# KiCad board Eclipse65.kicad_pcb (continued)
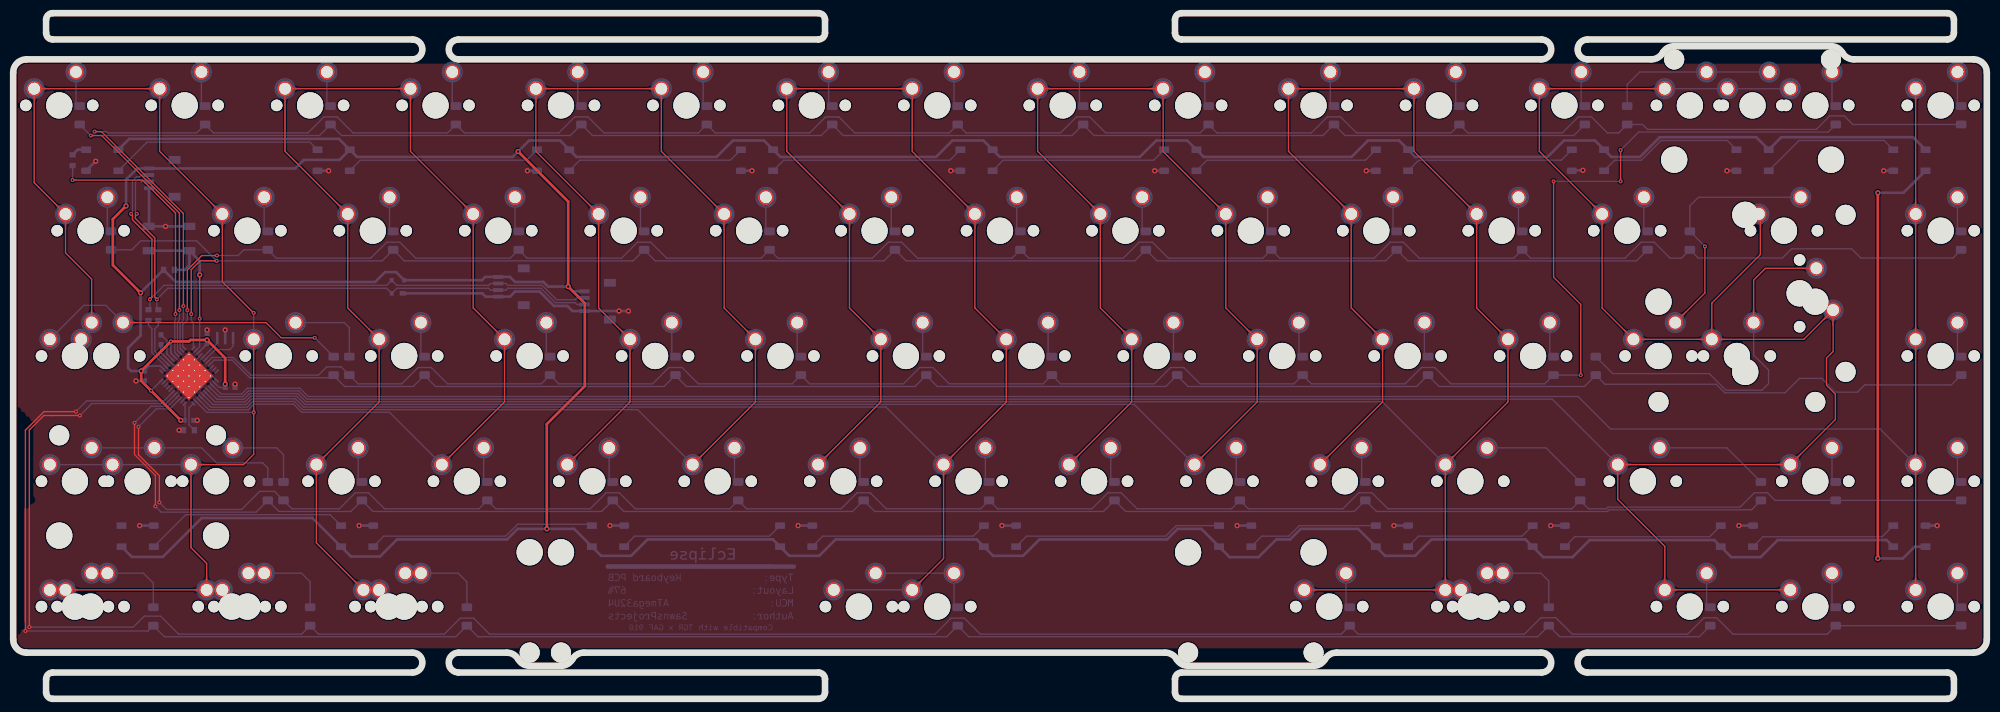
[diagram p0: board, top side]
## Copper pours and planes (outline as drawn; the poured copper is in the pictures) (continued)
C6 on Top: 267.5,16.46 267.6,16.46 267.7,16.46 267.79,16.45 267.87,16.44 267.95,16.42 268.02,16.4 268.09,16.38 268.15,16.36 268.21,16.33 268.26,16.3 268.32,16.27 268.37,16.24 268.42,16.2 268.47,16.17 268.89,15.79 268.95,15.74 269.01,15.7 269.07,15.66 269.14,15.61 269.21,15.57 269.29,15.53 269.37,15.48 270.49,16.56 269.37,17.64 269.29,17.6 269.21,17.56 269.14,17.52 269.07,17.47 269.01,17.43 268.95,17.39 268.89,17.34 268.47,16.96 268.42,16.93 268.37,16.89 268.32,16.86 268.26,16.83 268.21,16.8 268.15,16.77 268.09,16.75 268.02,16.73 267.95,16.71 267.87,16.69 267.79,16.68 267.7,16.67 267.6,16.67 267.5,16.66
C6 on Top: 265.46,71.33 265.46,71.44 265.47,71.54 265.47,71.64 265.49,71.73 265.5,71.81 265.52,71.89 265.54,71.96 265.56,72.03 265.59,72.09 265.62,72.16 265.65,72.21 265.68,72.27 265.71,72.32 266,72.75 266.03,72.81 266.07,72.87 266.1,72.93 266.14,73 266.17,73.07 266.2,73.15 266.23,73.23 266.26,73.32 266.29,73.41 265.01,74.3 264.17,72.99 264.22,72.93 264.27,72.86 264.33,72.8 264.38,72.75 264.43,72.7 264.48,72.65 264.91,72.27 264.95,72.23 264.99,72.19 265.03,72.14 265.06,72.1 265.09,72.05 265.12,72 265.15,71.94 265.17,71.88 265.2,71.82 265.21,71.75 265.23,71.68 265.24,71.6 265.25,71.52 265.26,71.43 265.26,71.33
C6 on Top: 257.88,57.05 257.88,56.95 257.88,56.86 257.87,56.77 257.86,56.69 257.84,56.61 257.82,56.54 257.8,56.47 257.78,56.41 257.75,56.35 257.72,56.29 257.69,56.24 257.66,56.19 257.62,56.14 257.59,56.09 257.21,55.66 257.16,55.61 257.12,55.55 257.07,55.48 257.03,55.42 256.99,55.35 256.95,55.27 256.9,55.19 257.98,54.06 259.06,55.19 259.02,55.27 258.98,55.35 258.94,55.42 258.89,55.48 258.85,55.55 258.8,55.61 258.76,55.66 258.38,56.09 258.35,56.14 258.31,56.19 258.28,56.24 258.25,56.29 258.22,56.35 258.19,56.41 258.17,56.47 258.15,56.54 258.13,56.61 258.11,56.69 258.1,56.77 258.09,56.86 258.09,56.95 258.08,57.05
C6 on Top: 271.51,37.38 271.44,37.3 271.36,37.24 271.3,37.19 271.23,37.14 271.16,37.09 271.1,37.05 271.04,37.02 270.97,36.99 270.91,36.97 270.85,36.95 270.79,36.93 270.73,36.92 270.67,36.91 270.62,36.9 270.05,36.87 269.97,36.86 269.9,36.85 269.83,36.84 269.75,36.82 269.67,36.8 269.58,36.78 269.5,36.75 269.47,35.19 271.02,35.22 271.05,35.31 271.08,35.39 271.1,35.47 271.11,35.55 271.13,35.63 271.14,35.7 271.14,35.77 271.18,36.34 271.19,36.4 271.2,36.46 271.21,36.52 271.23,36.58 271.24,36.64 271.27,36.7 271.3,36.76 271.33,36.82 271.37,36.89 271.41,36.95 271.46,37.02 271.52,37.09 271.58,37.16 271.65,37.23
C6 on Top: 276.5,56.72 276.5,56.82 276.51,56.92 276.52,57.01 276.53,57.09 276.54,57.17 276.56,57.24 276.58,57.31 276.61,57.37 276.63,57.43 276.66,57.48 276.69,57.54 276.73,57.59 276.76,57.64 276.8,57.69 277.18,58.11 277.22,58.17 277.26,58.23 277.31,58.29 277.35,58.36 277.39,58.43 277.44,58.51 277.48,58.59 276.4,59.71 275.32,58.59 275.36,58.51 275.4,58.43 275.45,58.36 275.49,58.29 275.53,58.23 275.58,58.17 275.62,58.11 276,57.69 276.04,57.64 276.07,57.59 276.1,57.54 276.14,57.48 276.16,57.43 276.19,57.37 276.21,57.31 276.24,57.24 276.25,57.17 276.27,57.09 276.28,57.01 276.29,56.92 276.3,56.82 276.3,56.72
C6 on Top: 231.89,90.37 231.89,90.48 231.9,90.57 231.91,90.66 231.92,90.74 231.93,90.82 231.95,90.89 231.97,90.96 232,91.02 232.02,91.08 232.05,91.14 232.08,91.19 232.12,91.24 232.15,91.29 232.19,91.34 232.57,91.77 232.61,91.82 232.66,91.88 232.7,91.95 232.74,92.01 232.79,92.08 232.83,92.16 232.87,92.24 231.79,93.36 230.71,92.24 230.75,92.16 230.79,92.08 230.84,92.01 230.88,91.95 230.92,91.88 230.97,91.82 231.01,91.77 231.39,91.34 231.43,91.29 231.46,91.24 231.5,91.19 231.53,91.14 231.56,91.08 231.58,91.02 231.61,90.96 231.63,90.89 231.65,90.82 231.66,90.74 231.67,90.66 231.68,90.57 231.69,90.48 231.69,90.37
C6 on Top: 239.55,75.33 239.63,75.26 239.69,75.19 239.74,75.12 239.79,75.05 239.84,74.99 239.88,74.92 239.91,74.86 239.94,74.8 239.96,74.74 239.98,74.68 240,74.62 240.01,74.56 240.02,74.5 240.03,74.44 240.06,73.87 240.07,73.8 240.08,73.73 240.09,73.65 240.11,73.57 240.13,73.49 240.15,73.41 240.18,73.32 241.74,73.29 241.71,74.85 241.62,74.88 241.54,74.9 241.46,74.92 241.38,74.94 241.3,74.95 241.23,74.96 241.16,74.97 240.59,75 240.53,75.01 240.47,75.02 240.41,75.03 240.35,75.05 240.29,75.07 240.23,75.09 240.17,75.12 240.11,75.15 240.04,75.19 239.98,75.24 239.91,75.29 239.84,75.34 239.77,75.4 239.7,75.48
C6 on Top: 241.42,71.32 241.42,71.43 241.42,71.52 241.43,71.61 241.44,71.69 241.46,71.77 241.48,71.84 241.5,71.91 241.52,71.97 241.55,72.03 241.58,72.09 241.61,72.14 241.64,72.19 241.68,72.24 241.71,72.29 242.09,72.72 242.14,72.77 242.18,72.83 242.22,72.9 242.27,72.96 242.31,73.03 242.35,73.11 242.4,73.19 241.32,74.31 240.24,73.19 240.28,73.11 240.32,73.03 240.36,72.96 240.41,72.9 240.45,72.83 240.49,72.77 240.54,72.72 240.92,72.29 240.95,72.24 240.99,72.19 241.02,72.14 241.05,72.09 241.08,72.03 241.11,71.97 241.13,71.91 241.15,71.84 241.17,71.77 241.19,71.69 241.2,71.61 241.21,71.52 241.21,71.43 241.22,71.32
C6 on Top: 244.32,56.28 244.39,56.21 244.45,56.14 244.51,56.07 244.56,56 244.6,55.94 244.64,55.87 244.67,55.81 244.7,55.75 244.72,55.69 244.74,55.63 244.76,55.57 244.77,55.51 244.78,55.45 244.79,55.39 244.82,54.82 244.83,54.75 244.84,54.68 244.86,54.6 244.87,54.52 244.89,54.44 244.92,54.36 244.94,54.27 246.5,54.24 246.47,55.8 246.38,55.83 246.3,55.85 246.22,55.87 246.14,55.89 246.07,55.9 245.99,55.91 245.92,55.92 245.35,55.95 245.29,55.96 245.23,55.97 245.17,55.98 245.11,56 245.05,56.02 244.99,56.04 244.93,56.07 244.87,56.1 244.8,56.14 244.74,56.19 244.67,56.24 244.6,56.29 244.53,56.35 244.46,56.43
C6 on Top: 260.37,54.76 260.27,54.77 260.18,54.77 260.09,54.78 260.01,54.79 259.93,54.81 259.86,54.83 259.79,54.85 259.72,54.87 259.67,54.9 259.61,54.93 259.56,54.96 259.5,54.99 259.46,55.03 259.41,55.06 258.98,55.44 258.92,55.49 258.87,55.53 258.8,55.57 258.74,55.62 258.66,55.66 258.59,55.7 258.51,55.74 257.38,54.66 258.51,53.58 258.59,53.63 258.66,53.67 258.74,53.71 258.8,53.76 258.87,53.8 258.92,53.84 258.98,53.89 259.41,54.27 259.46,54.3 259.5,54.34 259.56,54.37 259.61,54.4 259.67,54.43 259.72,54.46 259.79,54.48 259.86,54.5 259.93,54.52 260.01,54.54 260.09,54.55 260.18,54.56 260.27,54.56 260.37,54.56
C6 on Top: 274.78,57.35 274.85,57.42 274.92,57.48 274.99,57.54 275.06,57.59 275.13,57.63 275.19,57.67 275.25,57.7 275.31,57.73 275.38,57.76 275.44,57.77 275.5,57.79 275.55,57.8 275.61,57.81 275.67,57.82 276.24,57.86 276.31,57.86 276.39,57.87 276.46,57.89 276.54,57.9 276.62,57.92 276.71,57.95 276.79,57.98 276.82,59.53 275.27,59.5 275.24,59.42 275.21,59.33 275.19,59.25 275.18,59.17 275.16,59.1 275.15,59.03 275.15,58.95 275.11,58.38 275.1,58.33 275.09,58.27 275.08,58.21 275.06,58.15 275.04,58.09 275.02,58.03 274.99,57.96 274.96,57.9 274.92,57.84 274.88,57.77 274.83,57.7 274.77,57.64 274.71,57.56 274.64,57.49
C6 on Top: 255.59,54.56 255.7,54.56 255.79,54.56 255.88,54.55 255.96,54.54 256.04,54.52 256.11,54.5 256.18,54.48 256.24,54.46 256.3,54.43 256.36,54.4 256.41,54.37 256.46,54.34 256.51,54.3 256.56,54.27 256.99,53.89 257.04,53.84 257.1,53.8 257.16,53.76 257.23,53.71 257.3,53.67 257.38,53.63 257.46,53.58 258.58,54.66 257.46,55.74 257.38,55.7 257.3,55.66 257.23,55.62 257.16,55.57 257.1,55.53 257.04,55.49 256.99,55.44 256.56,55.06 256.51,55.03 256.46,54.99 256.41,54.96 256.36,54.93 256.3,54.9 256.24,54.87 256.18,54.85 256.11,54.83 256.04,54.81 255.96,54.79 255.88,54.78 255.79,54.77 255.7,54.77 255.59,54.76
C6 on Top: 248.47,54.76 248.37,54.77 248.27,54.77 248.18,54.78 248.1,54.79 248.02,54.81 247.95,54.83 247.88,54.85 247.82,54.87 247.76,54.9 247.7,54.93 247.65,54.96 247.6,54.99 247.55,55.03 247.5,55.06 247.07,55.44 247.02,55.49 246.96,55.53 246.9,55.57 246.83,55.62 246.76,55.66 246.68,55.7 246.6,55.74 245.48,54.66 246.6,53.58 246.68,53.63 246.76,53.67 246.83,53.71 246.9,53.76 246.96,53.8 247.02,53.84 247.07,53.89 247.5,54.27 247.55,54.3 247.6,54.34 247.65,54.37 247.7,54.4 247.76,54.43 247.82,54.46 247.88,54.48 247.95,54.5 248.02,54.52 248.1,54.54 248.18,54.55 248.27,54.56 248.37,54.56 248.47,54.56
C6 on Top: 234.18,92.86 234.08,92.87 233.98,92.87 233.89,92.88 233.81,92.89 233.73,92.91 233.66,92.93 233.59,92.95 233.53,92.97 233.47,93 233.42,93.03 233.36,93.06 233.31,93.09 233.26,93.13 233.21,93.16 232.79,93.54 232.73,93.59 232.67,93.63 232.61,93.67 232.54,93.72 232.47,93.76 232.39,93.8 232.31,93.84 231.19,92.76 232.31,91.68 232.39,91.73 232.47,91.77 232.54,91.81 232.61,91.86 232.67,91.9 232.73,91.94 232.79,91.99 233.21,92.37 233.26,92.4 233.31,92.44 233.36,92.47 233.42,92.5 233.47,92.53 233.53,92.56 233.59,92.58 233.66,92.6 233.73,92.62 233.81,92.64 233.89,92.65 233.98,92.66 234.08,92.66 234.18,92.66
C6 on Top: 248.45,92.66 248.55,92.66 248.65,92.66 248.74,92.65 248.82,92.64 248.9,92.62 248.97,92.6 249.04,92.58 249.1,92.56 249.16,92.53 249.21,92.5 249.27,92.47 249.32,92.44 249.37,92.4 249.42,92.37 249.84,91.99 249.9,91.94 249.96,91.9 250.02,91.86 250.09,91.81 250.16,91.77 250.24,91.73 250.32,91.68 251.44,92.76 250.32,93.84 250.24,93.8 250.16,93.76 250.09,93.72 250.02,93.67 249.96,93.63 249.9,93.59 249.84,93.54 249.42,93.16 249.37,93.13 249.32,93.09 249.27,93.06 249.21,93.03 249.16,93 249.1,92.97 249.04,92.95 248.97,92.93 248.9,92.91 248.82,92.89 248.74,92.88 248.65,92.87 248.55,92.87 248.45,92.86
C6 on Bottom: 267.5,92.66 267.6,92.66 267.7,92.66 267.79,92.65 267.87,92.64 267.95,92.62 268.02,92.6 268.09,92.58 268.15,92.56 268.21,92.53 268.26,92.5 268.32,92.47 268.37,92.44 268.42,92.4 268.47,92.37 268.89,91.99 268.95,91.94 269.01,91.9 269.07,91.86 269.14,91.81 269.21,91.77 269.29,91.73 269.37,91.68 270.49,92.76 269.37,93.84 269.29,93.8 269.21,93.76 269.14,93.72 269.07,93.67 269.01,93.63 268.95,93.59 268.89,93.54 268.47,93.16 268.42,93.13 268.37,93.09 268.32,93.06 268.26,93.03 268.21,93 268.15,92.97 268.09,92.95 268.02,92.93 267.95,92.91 267.87,92.89 267.79,92.88 267.7,92.87 267.6,92.87 267.5,92.86
C6 on Bottom: 266.7,92.66 266.84,92.66 266.96,92.65 267.08,92.64 267.19,92.63 267.3,92.6 267.39,92.58 267.48,92.55 267.57,92.52 267.65,92.48 267.72,92.44 267.79,92.4 267.86,92.35 267.93,92.3 267.99,92.25 268.05,92.2 268.11,92.15 268.42,91.86 268.49,91.8 268.56,91.74 268.63,91.68 268.71,91.62 268.8,91.56 268.88,91.5 268.98,91.44 269.08,91.38 269.19,91.32 270.69,92.76 269.19,94.2 269.08,94.15 268.98,94.09 268.88,94.03 268.8,93.97 268.71,93.91 268.63,93.85 268.56,93.79 268.49,93.73 268.42,93.67 268.11,93.38 268.05,93.33 267.99,93.28 267.93,93.23 267.86,93.18 267.79,93.13 267.72,93.09 267.65,93.05 267.57,93.01 267.48,92.98 267.39,92.95 267.3,92.93 267.19,92.9 267.08,92.89 266.96,92.88 266.84,92.87 266.7,92.86
C6 on Bottom: 262.76,92.86 262.65,92.87 262.56,92.87 262.47,92.88 262.39,92.89 262.31,92.91 262.24,92.93 262.17,92.95 262.11,92.97 262.05,93 261.99,93.03 261.94,93.06 261.89,93.09 261.84,93.13 261.79,93.16 261.36,93.54 261.31,93.59 261.25,93.63 261.18,93.67 261.12,93.72 261.05,93.76 260.97,93.8 260.89,93.84 259.77,92.76 260.89,91.68 260.97,91.73 261.05,91.77 261.12,91.81 261.18,91.86 261.25,91.9 261.31,91.94 261.36,91.99 261.79,92.37 261.84,92.4 261.89,92.44 261.94,92.47 261.99,92.5 262.05,92.53 262.11,92.56 262.17,92.58 262.24,92.6 262.31,92.62 262.39,92.64 262.47,92.65 262.56,92.66 262.65,92.66 262.76,92.66
C6 on Bottom: 263.56,92.86 263.42,92.87 263.29,92.88 263.17,92.89 263.06,92.9 262.96,92.93 262.86,92.95 262.77,92.98 262.69,93.01 262.61,93.05 262.53,93.09 262.46,93.13 262.39,93.18 262.33,93.23 262.27,93.28 262.2,93.33 262.14,93.38 261.84,93.67 261.77,93.73 261.7,93.79 261.62,93.85 261.54,93.91 261.46,93.97 261.37,94.03 261.27,94.09 261.17,94.15 261.06,94.2 259.57,92.76 261.06,91.32 261.17,91.38 261.27,91.44 261.37,91.5 261.46,91.56 261.54,91.62 261.62,91.68 261.7,91.74 261.77,91.8 261.84,91.86 262.14,92.15 262.2,92.2 262.27,92.25 262.33,92.3 262.39,92.35 262.46,92.4 262.53,92.44 262.61,92.48 262.69,92.52 262.77,92.55 262.86,92.58 262.96,92.6 263.06,92.63 263.17,92.64 263.29,92.65 263.42,92.66 263.56,92.66
C6 on Bottom: 253.23,92.86 253.13,92.87 253.03,92.87 252.94,92.88 252.86,92.89 252.78,92.91 252.71,92.93 252.64,92.95 252.58,92.97 252.52,93 252.47,93.03 252.41,93.06 252.36,93.09 252.31,93.13 252.26,93.16 251.84,93.54 251.78,93.59 251.72,93.63 251.66,93.67 251.59,93.72 251.52,93.76 251.44,93.8 251.36,93.84 250.24,92.76 251.36,91.68 251.44,91.73 251.52,91.77 251.59,91.81 251.66,91.86 251.72,91.9 251.78,91.94 251.84,91.99 252.26,92.37 252.31,92.4 252.36,92.44 252.41,92.47 252.47,92.5 252.52,92.53 252.58,92.56 252.64,92.58 252.71,92.6 252.78,92.62 252.86,92.64 252.94,92.65 253.03,92.66 253.13,92.66 253.23,92.66
C6 on Bottom: 254.03,92.86 253.89,92.87 253.77,92.88 253.65,92.89 253.54,92.9 253.43,92.93 253.34,92.95 253.25,92.98 253.16,93.01 253.08,93.05 253.01,93.09 252.94,93.13 252.87,93.18 252.8,93.23 252.74,93.28 252.68,93.33 252.62,93.38 252.31,93.67 252.24,93.73 252.17,93.79 252.1,93.85 252.02,93.91 251.93,93.97 251.85,94.03 251.75,94.09 251.65,94.15 251.54,94.2 250.04,92.76 251.54,91.32 251.65,91.38 251.75,91.44 251.85,91.5 251.93,91.56 252.02,91.62 252.1,91.68 252.17,91.74 252.24,91.8 252.31,91.86 252.62,92.15 252.68,92.2 252.74,92.25 252.8,92.3 252.87,92.35 252.94,92.4 253.01,92.44 253.08,92.48 253.16,92.52 253.25,92.55 253.34,92.58 253.43,92.6 253.54,92.63 253.65,92.64 253.77,92.65 253.89,92.66 254.03,92.66
C6 on Bottom: 257.98,92.66 258.08,92.66 258.17,92.66 258.26,92.65 258.34,92.64 258.42,92.62 258.49,92.6 258.56,92.58 258.62,92.56 258.68,92.53 258.74,92.5 258.79,92.47 258.84,92.44 258.89,92.4 258.94,92.37 259.37,91.99 259.42,91.94 259.48,91.9 259.55,91.86 259.61,91.81 259.68,91.77 259.76,91.73 259.84,91.68 260.97,92.76 259.84,93.84 259.76,93.8 259.68,93.76 259.61,93.72 259.55,93.67 259.48,93.63 259.42,93.59 259.37,93.54 258.94,93.16 258.89,93.13 258.84,93.09 258.79,93.06 258.74,93.03 258.68,93 258.62,92.97 258.56,92.95 258.49,92.93 258.42,92.91 258.34,92.89 258.26,92.88 258.17,92.87 258.08,92.87 257.98,92.86
C6 on Bottom: 257.18,92.66 257.31,92.66 257.44,92.65 257.56,92.64 257.67,92.63 257.77,92.6 257.87,92.58 257.96,92.55 258.04,92.52 258.12,92.48 258.2,92.44 258.27,92.4 258.34,92.35 258.4,92.3 258.46,92.25 258.53,92.2 258.59,92.15 258.89,91.86 258.96,91.8 259.03,91.74 259.11,91.68 259.19,91.62 259.27,91.56 259.36,91.5 259.46,91.44 259.56,91.38 259.67,91.32 261.17,92.76 259.67,94.2 259.56,94.15 259.46,94.09 259.36,94.03 259.27,93.97 259.19,93.91 259.11,93.85 259.03,93.79 258.96,93.73 258.89,93.67 258.59,93.38 258.53,93.33 258.46,93.28 258.4,93.23 258.34,93.18 258.27,93.13 258.2,93.09 258.12,93.05 258.04,93.01 257.96,92.98 257.87,92.95 257.77,92.93 257.67,92.9 257.56,92.89 257.44,92.88 257.31,92.87 257.18,92.86
C6 on Bottom: 241.94,37.23 242.01,37.16 242.07,37.09 242.13,37.02 242.18,36.95 242.22,36.89 242.26,36.82 242.29,36.76 242.32,36.7 242.34,36.64 242.36,36.58 242.38,36.52 242.39,36.46 242.4,36.4 242.41,36.34 242.44,35.77 242.45,35.7 242.46,35.63 242.47,35.55 242.49,35.47 242.51,35.39 242.53,35.31 242.56,35.22 244.12,35.19 244.09,36.75 244,36.78 243.92,36.8 243.84,36.82 243.76,36.84 243.68,36.85 243.61,36.86 243.54,36.87 242.97,36.9 242.91,36.91 242.85,36.92 242.79,36.93 242.73,36.95 242.67,36.97 242.61,36.99 242.55,37.02 242.49,37.05 242.42,37.09 242.36,37.14 242.29,37.19 242.22,37.24 242.15,37.3 242.08,37.38
C6 on Bottom: 241.37,37.8 241.46,37.7 241.55,37.61 241.62,37.51 241.69,37.42 241.75,37.33 241.8,37.25 241.84,37.16 241.88,37.08 241.91,37 241.93,36.92 241.95,36.84 241.97,36.76 241.98,36.68 241.99,36.6 242,36.52 242,36.44 242.01,36.01 242.02,35.92 242.03,35.83 242.04,35.73 242.05,35.64 242.07,35.53 242.09,35.43 242.11,35.32 242.15,35.21 242.18,35.09 244.26,35.05 244.22,37.13 244.1,37.16 243.99,37.2 243.88,37.22 243.78,37.24 243.68,37.26 243.58,37.27 243.48,37.28 243.39,37.29 243.3,37.3 242.87,37.31 242.79,37.31 242.71,37.32 242.63,37.33 242.55,37.34 242.47,37.36 242.39,37.38 242.31,37.4 242.23,37.43 242.15,37.47 242.06,37.51 241.98,37.56 241.89,37.62 241.8,37.69 241.71,37.76 241.61,37.85 241.51,37.94
C7 on Top: 289.04,33.22 289.04,33.33 289.05,33.42 289.06,33.51 289.07,33.59 289.08,33.67 289.1,33.74 289.12,33.81 289.15,33.87 289.17,33.93 289.2,33.99 289.23,34.04 289.27,34.09 289.3,34.14 289.34,34.19 289.72,34.62 289.76,34.67 289.81,34.73 289.85,34.8 289.89,34.86 289.94,34.93 289.98,35.01 290.02,35.09 288.94,36.21 287.86,35.09 287.9,35.01 287.94,34.93 287.99,34.86 288.03,34.8 288.07,34.73 288.12,34.67 288.16,34.62 288.54,34.19 288.58,34.14 288.61,34.09 288.65,34.04 288.68,33.99 288.71,33.93 288.73,33.87 288.76,33.81 288.78,33.74 288.8,33.67 288.81,33.59 288.82,33.51 288.83,33.42 288.84,33.33 288.84,33.22
C7 on Top: 288.84,18.95 288.84,18.85 288.83,18.76 288.82,18.67 288.81,18.59 288.8,18.51 288.78,18.44 288.76,18.37 288.73,18.31 288.71,18.25 288.68,18.19 288.65,18.14 288.61,18.09 288.58,18.04 288.54,17.99 288.16,17.56 288.12,17.51 288.07,17.45 288.03,17.38 287.99,17.32 287.94,17.25 287.9,17.17 287.86,17.09 288.94,15.96 290.02,17.09 289.98,17.17 289.94,17.25 289.89,17.32 289.85,17.38 289.81,17.45 289.76,17.51 289.72,17.56 289.34,17.99 289.3,18.04 289.27,18.09 289.23,18.14 289.2,18.19 289.17,18.25 289.15,18.31 289.12,18.37 289.1,18.44 289.08,18.51 289.07,18.59 289.06,18.67 289.05,18.76 289.04,18.85 289.04,18.95
C7 on Top: 289.04,52.27 289.04,52.38 289.05,52.47 289.06,52.56 289.07,52.64 289.08,52.72 289.1,52.79 289.12,52.86 289.15,52.92 289.17,52.98 289.2,53.04 289.23,53.09 289.27,53.14 289.3,53.19 289.34,53.24 289.72,53.67 289.76,53.72 289.81,53.78 289.85,53.85 289.89,53.91 289.94,53.98 289.98,54.06 290.02,54.14 288.94,55.26 287.86,54.14 287.9,54.06 287.94,53.98 287.99,53.91 288.03,53.85 288.07,53.78 288.12,53.72 288.16,53.67 288.54,53.24 288.58,53.19 288.61,53.14 288.65,53.09 288.68,53.04 288.71,52.98 288.73,52.92 288.76,52.86 288.78,52.79 288.8,52.72 288.81,52.64 288.82,52.56 288.83,52.47 288.84,52.38 288.84,52.27
C7 on Top: 288.84,38 288.84,37.9 288.83,37.81 288.82,37.72 288.81,37.64 288.8,37.56 288.78,37.49 288.76,37.42 288.73,37.36 288.71,37.3 288.68,37.24 288.65,37.19 288.61,37.14 288.58,37.09 288.54,37.04 288.16,36.61 288.12,36.56 288.07,36.5 288.03,36.43 287.99,36.37 287.94,36.3 287.9,36.22 287.86,36.14 288.94,35.01 290.02,36.14 289.98,36.22 289.94,36.3 289.89,36.37 289.85,36.43 289.81,36.5 289.76,36.56 289.72,36.61 289.34,37.04 289.3,37.09 289.27,37.14 289.23,37.19 289.2,37.24 289.17,37.3 289.15,37.36 289.12,37.42 289.1,37.49 289.08,37.56 289.07,37.64 289.06,37.72 289.05,37.81 289.04,37.9 289.04,38
C7 on Top: 289.04,71.32 289.04,71.43 289.05,71.52 289.06,71.61 289.07,71.69 289.08,71.77 289.1,71.84 289.12,71.91 289.15,71.97 289.17,72.03 289.2,72.09 289.23,72.14 289.27,72.19 289.3,72.24 289.34,72.29 289.72,72.72 289.76,72.77 289.81,72.83 289.85,72.9 289.89,72.96 289.94,73.03 289.98,73.11 290.02,73.19 288.94,74.31 287.86,73.19 287.9,73.11 287.94,73.03 287.99,72.96 288.03,72.9 288.07,72.83 288.12,72.77 288.16,72.72 288.54,72.29 288.58,72.24 288.61,72.19 288.65,72.14 288.68,72.09 288.71,72.03 288.73,71.97 288.76,71.91 288.78,71.84 288.8,71.77 288.81,71.69 288.82,71.61 288.83,71.52 288.84,71.43 288.84,71.32
C7 on Top: 288.84,57.05 288.84,56.95 288.83,56.86 288.82,56.77 288.81,56.69 288.8,56.61 288.78,56.54 288.76,56.47 288.73,56.41 288.71,56.35 288.68,56.29 288.65,56.24 288.61,56.19 288.58,56.14 288.54,56.09 288.16,55.66 288.12,55.61 288.07,55.55 288.03,55.48 287.99,55.42 287.94,55.35 287.9,55.27 287.86,55.19 288.94,54.06 290.02,55.19 289.98,55.27 289.94,55.35 289.89,55.42 289.85,55.48 289.81,55.55 289.76,55.61 289.72,55.66 289.34,56.09 289.3,56.14 289.27,56.19 289.23,56.24 289.2,56.29 289.17,56.35 289.15,56.41 289.12,56.47 289.1,56.54 289.08,56.61 289.07,56.69 289.06,56.77 289.05,56.86 289.04,56.95 289.04,57.05
C7 on Top: 288.84,76.1 288.84,76 288.83,75.91 288.82,75.82 288.81,75.74 288.8,75.66 288.78,75.59 288.76,75.52 288.73,75.46 288.71,75.4 288.68,75.34 288.65,75.29 288.61,75.24 288.58,75.19 288.54,75.14 288.16,74.71 288.12,74.66 288.07,74.6 288.03,74.53 287.99,74.47 287.94,74.4 287.9,74.32 287.86,74.24 288.94,73.11 290.02,74.24 289.98,74.32 289.94,74.4 289.89,74.47 289.85,74.53 289.81,74.6 289.76,74.66 289.72,74.71 289.34,75.14 289.3,75.19 289.27,75.24 289.23,75.29 289.2,75.34 289.17,75.4 289.15,75.46 289.12,75.52 289.1,75.59 289.08,75.66 289.07,75.74 289.06,75.82 289.05,75.91 289.04,76 289.04,76.1
C7 on Top: 289.04,90.37 289.04,90.48 289.05,90.57 289.06,90.66 289.07,90.74 289.08,90.82 289.1,90.89 289.12,90.96 289.15,91.02 289.17,91.08 289.2,91.14 289.23,91.19 289.27,91.24 289.3,91.29 289.34,91.34 289.72,91.77 289.76,91.82 289.81,91.88 289.85,91.95 289.89,92.01 289.94,92.08 289.98,92.16 290.02,92.24 288.94,93.36 287.86,92.24 287.9,92.16 287.94,92.08 287.99,92.01 288.03,91.95 288.07,91.88 288.12,91.82 288.16,91.77 288.54,91.34 288.58,91.29 288.61,91.24 288.65,91.19 288.68,91.14 288.71,91.08 288.73,91.02 288.76,90.96 288.78,90.89 288.8,90.82 288.81,90.74 288.82,90.66 288.83,90.57 288.84,90.48 288.84,90.37
C7 on Bottom: 286.61,37.8 286.71,37.7 286.79,37.61 286.87,37.51 286.93,37.42 286.99,37.33 287.04,37.25 287.09,37.16 287.12,37.08 287.15,37 287.18,36.92 287.2,36.84 287.21,36.76 287.23,36.68 287.23,36.6 287.24,36.52 287.25,36.44 287.26,36.01 287.26,35.92 287.27,35.83 287.28,35.73 287.29,35.64 287.31,35.53 287.33,35.43 287.36,35.32 287.39,35.21 287.43,35.09 289.51,35.05 289.47,37.13 289.35,37.16 289.23,37.2 289.13,37.22 289.02,37.24 288.92,37.26 288.82,37.27 288.73,37.28 288.63,37.29 288.54,37.3 288.12,37.31 288.04,37.31 287.96,37.32 287.88,37.33 287.8,37.34 287.72,37.36 287.64,37.38 287.56,37.4 287.47,37.43 287.39,37.47 287.31,37.51 287.22,37.56 287.13,37.62 287.04,37.69 286.95,37.76 286.85,37.85 286.76,37.94
C7 on Bottom: 287.18,37.23 287.25,37.16 287.31,37.09 287.37,37.02 287.42,36.95 287.46,36.89 287.5,36.82 287.53,36.76 287.56,36.7 287.59,36.64 287.6,36.58 287.62,36.52 287.63,36.46 287.64,36.4 287.65,36.34 287.69,35.77 287.69,35.7 287.7,35.63 287.72,35.55 287.73,35.47 287.75,35.39 287.78,35.31 287.81,35.22 289.36,35.19 289.33,36.75 289.25,36.78 289.16,36.8 289.08,36.82 289,36.84 288.93,36.85 288.86,36.86 288.78,36.87 288.21,36.9 288.16,36.91 288.1,36.92 288.04,36.93 287.98,36.95 287.92,36.97 287.86,36.99 287.79,37.02 287.73,37.05 287.67,37.09 287.6,37.14 287.53,37.19 287.47,37.24 287.39,37.3 287.32,37.38
R0 on Bottom: 237.93,86.41 238.9,86.76 238.91,87.54 238.13,87.52 237.79,86.55
R0 on Bottom: 199.83,86.41 200.8,86.76 200.81,87.54 200.03,87.52 199.69,86.55
R0 on Bottom: 161.73,86.41 162.7,86.76 162.71,87.54 161.93,87.52 161.59,86.55
R0 on Bottom: 123.63,86.41 124.6,86.76 124.61,87.54 123.83,87.52 123.49,86.55
R0 on Bottom: 85.53,86.41 86.5,86.76 86.51,87.54 85.73,87.52 85.39,86.55
R0 on Bottom: 201.51,86.55 201.17,87.52 200.39,87.54 200.4,86.76 201.37,86.41
R0 on Bottom: 163.41,86.55 163.07,87.52 162.29,87.54 162.3,86.76 163.27,86.41
R0 on Bottom: 125.31,86.55 124.97,87.52 124.19,87.54 124.2,86.76 125.17,86.41
R0 on Bottom: 87.21,86.55 86.87,87.52 86.09,87.54 86.1,86.76 87.07,86.41
R0 on Bottom: 49.11,86.55 48.77,87.52 47.99,87.54 48,86.76 48.97,86.41
R0 on Bottom: 47.43,86.41 48.4,86.76 48.41,87.54 47.63,87.52 47.29,86.55
R0 on Bottom: 11.01,86.55 10.67,87.52 9.89,87.54 9.9,86.76 10.87,86.41
R1 on Bottom: 294.66,87.22 295.59,86.78 296.15,87.32 295.59,87.86 294.66,87.42
R1 on Bottom: 246.32,87.42 245.39,87.86 244.83,87.32 245.39,86.78 246.32,87.22
R1 on Bottom: 28.38,86.41 29.35,86.76 29.36,87.54 28.58,87.52 28.24,86.55
R1 on Bottom: 244.35,86.41 245.32,86.76 245.34,87.54 244.56,87.52 244.21,86.55
R1 on Bottom: 220.56,86.55 220.22,87.52 219.44,87.54 219.45,86.76 220.42,86.41
R1 on Bottom: 182.46,86.55 182.12,87.52 181.34,87.54 181.35,86.76 182.32,86.41
R1 on Bottom: 144.36,86.55 144.02,87.52 143.24,87.54 143.25,86.76 144.22,86.41
R1 on Bottom: 106.26,86.55 105.92,87.52 105.14,87.54 105.15,86.76 106.12,86.41
R1 on Bottom: 218.88,86.41 219.85,86.76 219.86,87.54 219.08,87.52 218.74,86.55
R1 on Bottom: 180.78,86.41 181.75,86.76 181.76,87.54 180.98,87.52 180.64,86.55
R1 on Bottom: 142.68,86.41 143.65,86.76 143.66,87.54 142.88,87.52 142.54,86.55
R1 on Bottom: 104.58,86.41 105.55,86.76 105.56,87.54 104.78,87.52 104.44,86.55
R1 on Bottom: 68.16,86.55 67.82,87.52 67.04,87.54 67.05,86.76 68.02,86.41
R1 on Bottom: 66.48,86.41 67.45,86.76 67.46,87.54 66.68,87.52 66.34,86.55
R1 on Bottom: 30.06,86.55 29.72,87.52 28.94,87.54 28.95,86.76 29.92,86.41
R2 on Bottom: 56.95,67.36 57.92,67.71 57.94,68.49 57.16,68.47 56.81,67.5
R2 on Bottom: 16.05,68.37 15.12,68.81 14.56,68.27 15.12,67.73 16.05,68.17
R2 on Bottom: 211.04,67.5 210.69,68.47 209.91,68.49 209.93,67.71 210.89,67.36
R2 on Bottom: 172.94,67.5 172.59,68.47 171.81,68.49 171.83,67.71 172.79,67.36
R2 on Bottom: 134.84,67.5 134.49,68.47 133.71,68.49 133.73,67.71 134.69,67.36
R2 on Bottom: 96.74,67.5 96.39,68.47 95.61,68.49 95.63,67.71 96.59,67.36
R2 on Bottom: 247.45,67.36 248.42,67.71 248.44,68.49 247.66,68.47 247.31,67.5
R2 on Bottom: 209.35,67.36 210.32,67.71 210.34,68.49 209.56,68.47 209.21,67.5
R2 on Bottom: 171.25,67.36 172.22,67.71 172.24,68.49 171.46,68.47 171.11,67.5
R2 on Bottom: 133.15,67.36 134.12,67.71 134.14,68.49 133.36,68.47 133.01,67.5
R2 on Bottom: 95.05,67.36 96.02,67.71 96.04,68.49 95.26,68.47 94.91,67.5
R2 on Bottom: 58.64,67.5 58.29,68.47 57.51,68.49 57.53,67.71 58.49,67.36
R3 on Bottom: 295.08,67.36 296.05,67.71 296.06,68.49 295.28,68.47 294.94,67.5
R3 on Bottom: 255.56,67.5 255.22,68.47 254.44,68.49 254.45,67.71 255.42,67.36
R3 on Bottom: 37.48,68.17 38.41,67.73 38.97,68.27 38.41,68.81 37.48,68.37
R3 on Bottom: 39.59,67.5 39.24,68.47 38.46,68.49 38.48,67.71 39.44,67.36
R3 on Bottom: 76,67.36 76.97,67.71 76.99,68.49 76.21,68.47 75.86,67.5
R3 on Bottom: 253.88,67.36 254.85,67.71 254.86,68.49 254.08,68.47 253.74,67.5
R3 on Bottom: 230.09,67.5 229.74,68.47 228.96,68.49 228.98,67.71 229.94,67.36
R3 on Bottom: 228.4,67.36 229.37,67.71 229.39,68.49 228.61,68.47 228.26,67.5
R3 on Bottom: 190.3,67.36 191.27,67.71 191.29,68.49 190.51,68.47 190.16,67.5
R3 on Bottom: 152.2,67.36 153.17,67.71 153.19,68.49 152.41,68.47 152.06,67.5
R3 on Bottom: 191.99,67.5 191.64,68.47 190.86,68.49 190.88,67.71 191.84,67.36
R3 on Bottom: 153.89,67.5 153.54,68.47 152.76,68.49 152.78,67.71 153.74,67.36
R3 on Bottom: 115.79,67.5 115.44,68.47 114.66,68.49 114.68,67.71 115.64,67.36
R3 on Bottom: 77.69,67.5 77.34,68.47 76.56,68.49 76.58,67.71 77.54,67.36
R3 on Bottom: 114.1,67.36 115.07,67.71 115.09,68.49 114.31,68.47 113.96,67.5
R4 on Bottom: 241.27,48.45 240.93,49.42 240.15,49.44 240.17,48.66 241.13,48.31
R4 on Bottom: 295.08,48.31 296.05,48.66 296.06,49.44 295.28,49.42 294.94,48.45
